# Altium PCB host_board.PcbDoc (part 1 of 8) (continued)
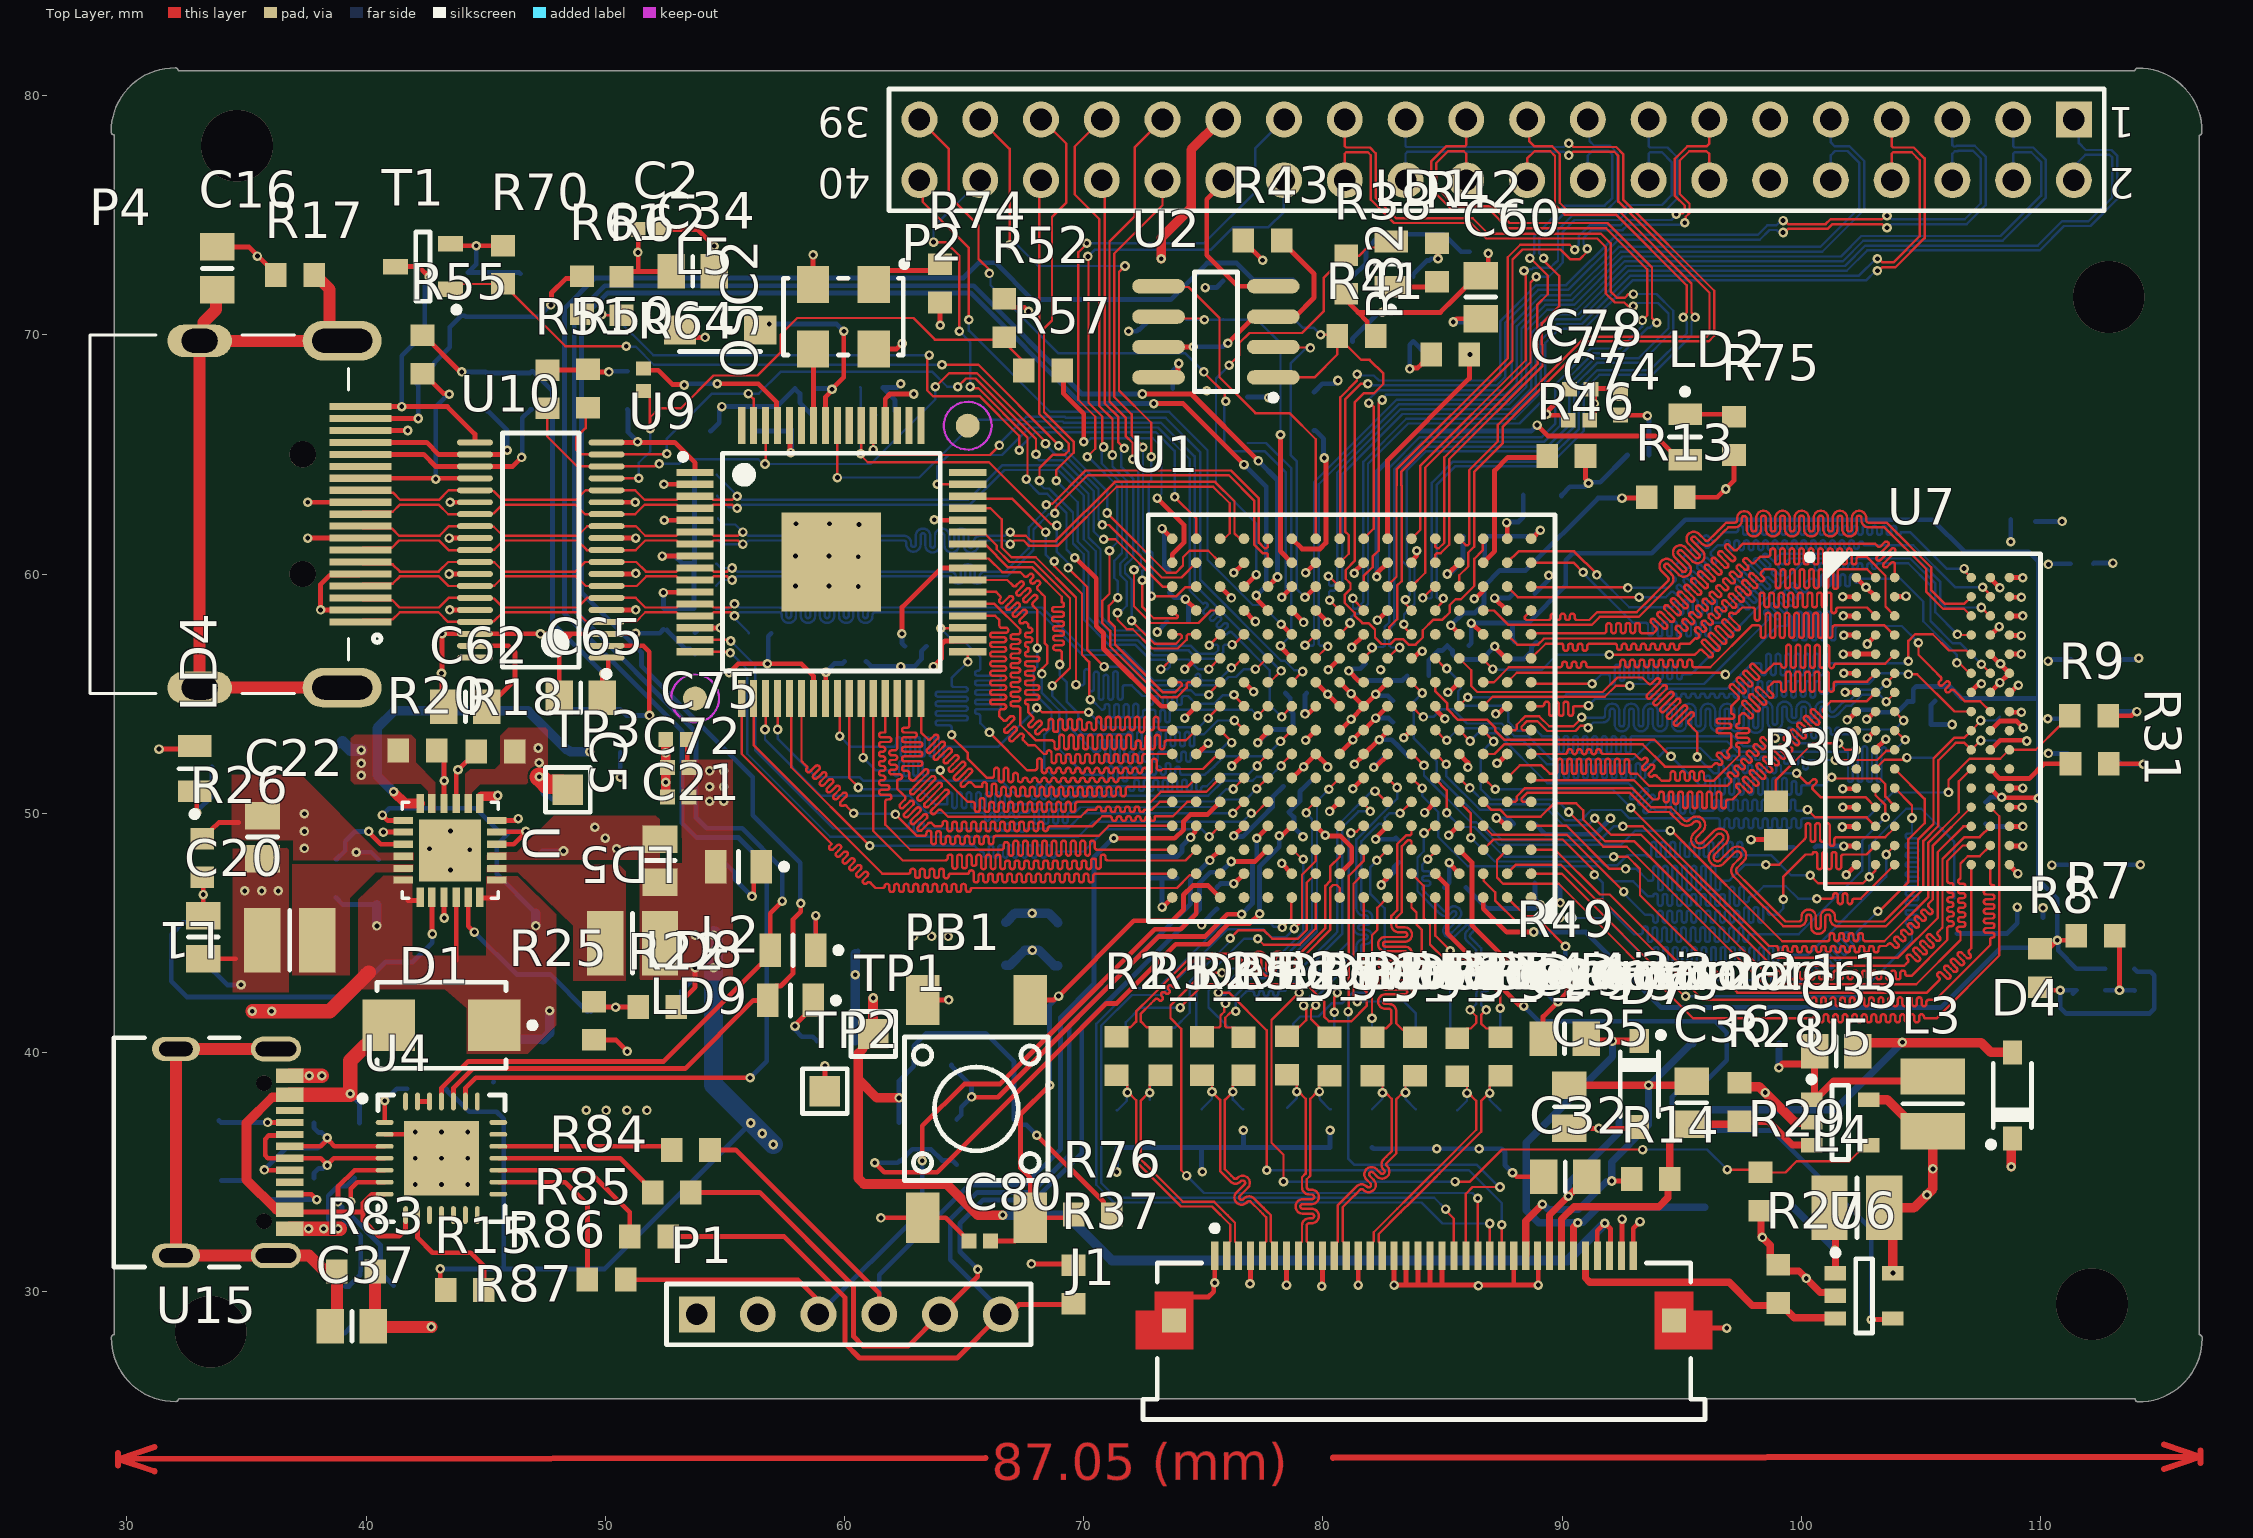
[diagram p0: Top Layer view]
## Design rules (kind name [scope] priority, off if disabled: settings) (continued)
PolygonConnect PolygonConnect_2 [InNet('1V2')] p7: thpad.connectstyle=Relief thpad.reliefconductorwidth=0.254 thpad.reliefentries=4 thpad.polygonreliefangle="90 Angle" thpad.airgapwidth=0.254 smdpad.connectstyle=Direct smdpad.reliefconductorwidth=0.254 smdpad.reliefentries=4 smdpad.polygonreliefangle="90 Angle" smdpad.airgapwidth=0.254 via.connectstyle=Direct via.reliefconductorwidth=0.254 via.reliefentries=4 via.polygonreliefangle="90 Angle" via.airgapwidth=0.254
PolygonConnect PolygonConnect_1 [InNet('5V_IN')] p8: connectstyle=Direct reliefconductorwidth=0.254 reliefentries=4 polygonreliefangle="90 Angle" airgapwidth=0.254
PolygonConnect [All] p9: thpad.connectstyle=Relief thpad.reliefconductorwidth=0.15 thpad.reliefentries=4 thpad.polygonreliefangle="45 Angle" thpad.airgapwidth=0.1 smdpad.connectstyle=Relief smdpad.reliefconductorwidth=0.15 smdpad.reliefentries=4 smdpad.polygonreliefangle="45 Angle" smdpad.airgapwidth=0.1 via.connectstyle=Direct via.reliefconductorwidth=0.15 via.reliefentries=4 via.polygonreliefangle="45 Angle" via.airgapwidth=0.1
RoutingVias [All] p1: holewidth=0.2 width=0.4 viastyle="Through Hole" minholewidth=0.1 minwidth=0.2 maxholewidth=0.3 maxwidth=0.4
SolderMaskExpansion [All] p1: expansion=0.102 istentingtop=FALSE
Width "Schematic Width Constraint_14" [InNetClass('DDR_IO')] p1: maxlimit=0.2 minlimit=0.1 preferedwidth=0.1
Width "Schematic Width Constraint_13" [InNetClass('DDR_IO')] p2: maxlimit=0.2 minlimit=0.1 preferedwidth=0.1
Width "Schematic Width Constraint_12" [InNetClass('DDR_IO')] p3: maxlimit=0.2 minlimit=0.1 preferedwidth=0.1
Width "Schematic Width Constraint_3" [InNetClass('DDR_IO')] p4: maxlimit=0.2 minlimit=0.1 preferedwidth=0.1
Width "Schematic Width Constraint_2" [InNet('DDR_RESETN')] p5: maxlimit=0.3 minlimit=0.1 preferedwidth=0.1
Width "Schematic Width Constraint_11" [InNet('GPIO_31')] p6: maxlimit=0.2 minlimit=0.1 preferedwidth=0.1
Width "Schematic Width Constraint_10" [InNet('GPIO_32')] p7: maxlimit=0.2 minlimit=0.1 preferedwidth=0.1
Width "Schematic Width Constraint_9" [InNet('GPIO_33')] p8: maxlimit=0.2 minlimit=0.1 preferedwidth=0.1
Width "Schematic Width Constraint_4" [InNet('GPIO_34')] p9: maxlimit=0.2 minlimit=0.1 preferedwidth=0.1
Width "Schematic Width Constraint" [InNetClass('PROG')] p10: maxlimit=0.2 minlimit=0.1 preferedwidth=0.1
Width "Schematic Width Constraint_1" [InNetClass('HDMI_HS_LINES')] p11: maxlimit=0.2 minlimit=0.1 preferedwidth=0.1
Width "Schematic Width Constraint_8" [InNetClass('ADV_IO')] p12: maxlimit=0.2 minlimit=0.1 preferedwidth=0.1
Width "Schematic Width Constraint_6" [InNetClass('DPHY_LINES')] p13: maxlimit=0.2 minlimit=0.1 preferedwidth=0.1
Width "Schematic Width Constraint_5" [InNetClass('HDMI_LINES')] p14: maxlimit=0.2 minlimit=0.1 preferedwidth=0.1
Width [All] p15: maxlimit=0.8 minlimit=0.1 preferedwidth=0.2
29 further rules are at their usual default settings.

## Classes and differential pairs
net class TMDS3: TMDS_CLK_N TMDS_CLK_P
net class TMDS2: TMDS2_N TMDS2_P
net class TMDS1: TMDS1_N TMDS1_P
net class TMDS0: TMDS0_N TMDS0_P
net class DPHY_LANE_HS_4: DPHY_HS_CLK_N DPHY_HS_CLK_P
net class DPHY_LANE_HS_3: DPHY_HS3_N DPHY_HS3_P
net class DPHY_LANE_HS_2: DPHY_HS2_N DPHY_HS2_P
net class DPHY_LANE_HS_1: DPHY_HS1_N DPHY_HS1_P
net class DPHY_LANE_HS_0: DPHY_HS0_N DPHY_HS0_P
net class DPHY_OUT: DPHY_0_N DPHY_0_P DPHY_1_N DPHY_1_P DPHY_2_N DPHY_2_P DPHY_3_N DPHY_3_P DPHY_4_N DPHY_4_P
net class DPHY_4: DPHY_4_N DPHY_4_P
net class DPHY_3: DPHY_3_N DPHY_3_P
net class DPHY_2: DPHY_2_N DPHY_2_P
net class DPHY_1: DPHY_1_N DPHY_1_P
net class DPHY_0: DPHY_0_N DPHY_0_P
differential pair class DDR_lvds: DDR_CLK DDR_LDQS DDR_UDQS
component class Designator1: R1_Designator1 R2_Designator1 R3_Designator1 R4_Designator1 R5_Designator1 R6_Designator1
net class PROG: CFG_CCLK CFG_CS CFG_DONE CFG_MISO CFG_MOSI
net class USB_LINES: USB_N USB_P
net class GPIO_DIFFPAIR: GPIO0_N GPIO0_P GPIO1_N GPIO1_P GPIO2_N GPIO2_P GPIO3_N GPIO3_P GPIO4_N GPIO4_P GPIO5_N GPIO5_P GPIO6_N GPIO6_P GPIO7_N GPIO7_P GPIO8_N GPIO8_P GPIO9_N GPIO9_P GPIO10_N GPIO10_P GPIO11_N GPIO11_P
net class HDMI_LINES: HDMI_CEC_LV HDMI_SCL_LV HDMI_SDA_LV HDP_EN HPD_NOTIF
net class DPHY_LINES: DPHY_LP_CLK_N DPHY_LP_CLK_P DPHY_LP_N0 DPHY_LP_N1 DPHY_LP_N2 DPHY_LP_N3 DPHY_LP_P0 DPHY_LP_P1 DPHY_LP_P2 DPHY_LP_P3 DSI_GPIO0 DSI_GPIO1 DSI_GPIO2 DSI_GPIO3 DSI_RESET_N LCD_PWREN
net class DPHY_LANE_HS: DPHY_HS0_N DPHY_HS0_P DPHY_HS1_N DPHY_HS1_P DPHY_HS2_N DPHY_HS2_P DPHY_HS3_N DPHY_HS3_P DPHY_HS_CLK_N DPHY_HS_CLK_P
net class ADV_IO: HDMI_CFG_SCL HDMI_CFG_SDA HDMI_D0 HDMI_D1 HDMI_D2 HDMI_D3 HDMI_D4 HDMI_D5 HDMI_D6 HDMI_D7 HDMI_D8 HDMI_D9 HDMI_D10 HDMI_D11 HDMI_D12 HDMI_D13 HDMI_D14 HDMI_D15 HDMI_D16 HDMI_D17 HDMI_D18 HDMI_D19 HDMI_D20 HDMI_D21 HDMI_D22 HDMI_D23 HDMI_DE HDMI_HS HDMI_LCC HDMI_RST_N HDMI_VS
net class HDMI_HS_LINES: TMDS0_N TMDS0_P TMDS1_N TMDS1_P TMDS2_N TMDS2_P TMDS_CLK_N TMDS_CLK_P
net class DDR_IO: DDR_A0 DDR_A1 DDR_A2 DDR_A3 DDR_A4 DDR_A5 DDR_A6 DDR_A7 DDR_A8 DDR_A9 DDR_A10 DDR_A11 DDR_A12 DDR_A13 DDR_A14 DDR_BA0 DDR_BA1 DDR_BA2 DDR_CAS DDR_CKE DDR_CLK_N DDR_CLK_P DDR_D0 DDR_D1 DDR_D2 DDR_D3 DDR_D4 DDR_D5 DDR_D6 DDR_D7 DDR_D8 DDR_D9 DDR_D10 DDR_D11 DDR_D12 DDR_D13 DDR_D14 DDR_D15 DDR_DM0 DDR_DM1 DDR_LDQS_N DDR_LDQS_P DDR_ODT DDR_RAS DDR_UDQS_N DDR_UDQS_P DDR_WE
channel class d-phy_block: Designator2 Designator3 Designator4 Designator5 Designator6
net class HDMI_D[0..23]: HDMI_D0 HDMI_D1 HDMI_D2 HDMI_D3 HDMI_D4 HDMI_D5 HDMI_D6 HDMI_D7 HDMI_D8 HDMI_D9 HDMI_D10 HDMI_D11 HDMI_D12 HDMI_D13 HDMI_D14 HDMI_D15 HDMI_D16 HDMI_D17 HDMI_D18 HDMI_D19 HDMI_D20 HDMI_D21 HDMI_D22 HDMI_D23
net class DDR_DM[0..1]: DDR_DM0 DDR_DM1
net class DDR_D[0..15]: DDR_D0 DDR_D1 DDR_D2 DDR_D3 DDR_D4 DDR_D5 DDR_D6 DDR_D7 DDR_D8 DDR_D9 DDR_D10 DDR_D11 DDR_D12 DDR_D13 DDR_D14 DDR_D15
net class DDR_BA[0..2]: DDR_BA0 DDR_BA1 DDR_BA2
net class DDR_A[0..14]: DDR_A0 DDR_A1 DDR_A2 DDR_A3 DDR_A4 DDR_A5 DDR_A6 DDR_A7 DDR_A8 DDR_A9 DDR_A10 DDR_A11 DDR_A12 DDR_A13 DDR_A14
component class "SDRAM DDR3": C6 C7 C10 C11 C31 C39 C40 C43 C47 C50 C54 C57 C59 R7 R8 R9 R10 R11 R12 R30 R31 U7
component class host_board: J1
component class Designator: C1 C2 C3 C5 C8 C9 C12 C13 C30 C38 C41 C42 C44 C45 C46 C48 C49 C51 C52 C53 C55 C56 C58 C60 C80 LD1 LD2 OSC1 P1 P2 PB1 R13 R32 R33 R34 R35 R36 R37 R38 R39 R40 R41 R42 R43 R44 R45 R46 R47 R48 R49 R57 R66 R67 R68 R69 R71 R72 R73 R75 R76 R88 R89 U1 U2 U8
component class Designator5: R1_Designator5 R2_Designator5 R3_Designator5 R4_Designator5 R5_Designator5 R6_Designator5
component class Designator4: R1_Designator4 R2_Designator4 R3_Designator4 R4_Designator4 R5_Designator4 R6_Designator4
component class Designator3: R1_Designator3 R2_Designator3 R3_Designator3 R4_Designator3 R5_Designator3 R6_Designator3
component class Designator2: R1_Designator2 R2_Designator2 R3_Designator2 R4_Designator2 R5_Designator2 R6_Designator2
differential pair DPHY_4: +DPHY_4_P -DPHY_4_N
differential pair DPHY_3: +DPHY_3_P -DPHY_3_N
differential pair DPHY_2: +DPHY_2_P -DPHY_2_N
differential pair DPHY_1: +DPHY_1_P -DPHY_1_N
differential pair DPHY_0: +DPHY_0_P -DPHY_0_N
differential pair DDR_UDQS: +DDR_UDQS_P -DDR_UDQS_N
differential pair DDR_LDQS: +DDR_LDQS_P -DDR_LDQS_N
differential pair USB: +USB_P -USB_N
differential pair TMDS_CLK: +TMDS_CLK_P -TMDS_CLK_N
differential pair TMDS2: +TMDS2_P -TMDS2_N
differential pair TMDS1: +TMDS1_P -TMDS1_N
differential pair TMDS0: +TMDS0_P -TMDS0_N
differential pair GPIO15: +GPIO15_P -GPIO15_N
differential pair GPIO14: +GPIO14_P -GPIO14_N
differential pair GPIO13: +GPIO13_P -GPIO13_N
differential pair GPIO12: +GPIO12_P -GPIO12_N
differential pair GPIO11: +GPIO11_P -GPIO11_N
differential pair GPIO10: +GPIO10_P -GPIO10_N
differential pair GPIO9: +GPIO9_P -GPIO9_N
differential pair GPIO8: +GPIO8_P -GPIO8_N
differential pair GPIO7: +GPIO7_P -GPIO7_N
differential pair GPIO6: +GPIO6_P -GPIO6_N
differential pair GPIO5: +GPIO5_P -GPIO5_N
differential pair GPIO4: +GPIO4_P -GPIO4_N
differential pair GPIO3: +GPIO3_P -GPIO3_N
differential pair GPIO2: +GPIO2_P -GPIO2_N
differential pair GPIO1: +GPIO1_P -GPIO1_N
differential pair GPIO0: +GPIO0_P -GPIO0_N
differential pair DPHY_HS_CLK: +DPHY_HS_CLK_P -DPHY_HS_CLK_N
differential pair DPHY_HS3: +DPHY_HS3_P -DPHY_HS3_N
differential pair DPHY_HS2: +DPHY_HS2_P -DPHY_HS2_N
differential pair DPHY_HS1: +DPHY_HS1_P -DPHY_HS1_N
differential pair DPHY_HS0: +DPHY_HS0_P -DPHY_HS0_N
differential pair DDR_CLK: +DDR_CLK_P -DDR_CLK_N

## Components (designator, comment, footprint, x,y, rotation, side; value= is the part's Value field where it differs from the comment)
C1 "100nF" CAPC1005X55N 88.475,57.15 r180 bottom
C2 "100nF" CAPC1005X55N 51.822,74.4 r0 top
C3 "1uF" CAPC1005X55N 62.975,56.979 r180 bottom value=100nF
C4 "1uF" CAPC2013X100N 48.67,50.59 r180 bottom value=1.5nF
C5 "1uF" CAPC1005X55N 53.05,51.911 r0 top value=100nF
C6 "4.7uF 10V" CAPC2013X100N 112.325,47.85 r180 bottom value=1.5nF
C7 "4.7uF 10V" CAPC2013X100N 112.05,54.263 r180 bottom value=1.5nF
C8 "1uF" CAPC1005X55N 93.181,64.975 r180 bottom value=100nF
C9 "1uF" CAPC1005X55N 83.125,52.375 r180 bottom value=100nF
C10 "4.7uF 10V" CAPC2013X100N 112.175,56.425 r180 bottom value=1.5nF
C11 "4.7uF 10V" CAPC2013X100N 112.075,52.45 r180 bottom value=1.5nF
C12 "1uF" CAPC1005X55N 86.325,61.575 r180 bottom value=100nF
C13 "1uF" CAPC1005X55N 109.275,62.175 r180 bottom value=100nF
C14 "100nF" CAPC2013X100N 39.13,29.32 r90 bottom value=1.5nF
C15 "1uF" CAPC2013X100N 41.225,29.425 r90 bottom value=1.5nF
C16 "100nF" CAPC2013X100N 33.775,72.775 r90 top value=1.5nF
C17 "4.7uF" CAPC2013X100N 47.1,47.26 r270 bottom value=1.5nF
C18 "4.7uF" CAPC2013X100N 40.53,47.16 r270 bottom value=1.5nF
C19 "1uF" CAPC2013X100N 52.232,41.668 r0 bottom value=1.5nF
C20 "1uF" CAPC2013X100N 33.19,44.82 r270 top value=1.5nF
C21 "10uF" CAPC2013X100N 52.285,48.018 r270 top value=1.5nF
C22 "10uF" CAPC2013X100N 35.665,49 r270 top value=1.5nF
C23 "1uF" CAPC2013X100N 49.4,40.8 r90 bottom value=1.5nF
C24 "1uF" CAPC2013X100N 47.39,39.63 r90 bottom value=1.5nF
C25 "1uF" CAPC2013X100N 45.31,39.65 r90 bottom value=1.5nF
C26 "1uF" CAPC2013X100N 68.922,44.523 r90 bottom value=1.5nF
C27 "1uF" CAPC2013X100N 55.3,65.975 r0 bottom value=1.5nF
C28 "4.7uF" CAPC2013X100N 66.747,44.535 r90 bottom value=1.5nF
C29 "1uF" CAPC2013X100N 90.1,40.575 r0 top value=1.5nF
C30 "100nF" CAPC1005X55N 85.65,57.009 r180 bottom
C31 "100nF" CAPC1005X55N 113.925,43.04 r270 bottom
C32 "4.7uF" CAPC2013X100N 90.125,34.8 r0 top value=1.5nF
C33 "1uF" CAPC2013X100N 101.455,40.05 r0 top value=1.5nF
C34 "4.7uF" CAPC2013X100N 53.65,72.65 r0 top value=1.5nF
C35 "1uF" CAPC2013X100N 90.3,37.725 r90 top value=1.5nF
C36 "22pF" CAPC2013X100N 95.419,37.9 r90 top value=1.5nF
C37 "100nF" CAPC2013X100N 39.405,28.551 r0 top value=1.5nF
C38 "100nF" CAPC1005X55N 78.8,51.125 r0 bottom
C39 "100nF" CAPC1005X55N 112.7,43.052 r270 bottom
C40 "100nF" CAPC1005X55N 111.5,43.052 r90 bottom
C41 "100nF" CAPC1005X55N 78.125,50.05 r0 bottom
C42 "100nF" CAPC1005X55N 86.31,60.551 r180 bottom
C43 "100nF" CAPC1005X55N 105.132,54.69 r180 bottom
C44 "100nF" CAPC1005X55N 72.675,47.74 r90 bottom
C45 "100nF" CAPC1005X55N 73.925,58 r0 bottom
C46 "100nF" CAPC1005X55N 74.175,67.75 r180 bottom
C47 "100nF" CAPC1005X55N 107.7,50.011 r90 bottom
C48 "100nF" CAPC1005X55N 73.909,47.74 r90 bottom
C49 "100nF" CAPC1005X55N 83.975,55.75 r180 bottom
C50 "100nF" CAPC1005X55N 89.3,47.08 r0 bottom
C51 "100nF" CAPC1005X55N 82.225,56.25 r180 bottom
C52 "100nF" CAPC1005X55N 82.925,54.25 r270 bottom
C53 "100nF" CAPC1005X55N 73.575,59.675 r270 bottom
C54 "100nF" CAPC1005X55N 100.125,48.575 r0 bottom
C55 "100nF" CAPC1005X55N 78.875,55.025 r0 bottom
C56 "100nF" CAPC1005X55N 88.4,59.175 r180 bottom
C57 "100nF" CAPC1005X55N 111.725,60.425 r180 bottom
C58 "100nF" CAPC1005X55N 88.425,49.55 r180 bottom
C59 "100nF" CAPC1005X55N 109.625,45.418 r0 bottom
C60 "100nF" CAPC2013X100N 86.6,71.575 r90 top value=1.5nF
C61 "100nF" CAPC1005X55N 58.375,67.75 r0 bottom
C62 "100nF" CAPC2013X100N 44.15,54.45 r0 top value=1.5nF
C63 "100nF" CAPC2013X100N 46.45,71.65 r270 bottom value=1.5nF
C64 "100nF" CAPC2013X100N 50.625,53.45 r90 bottom value=1.5nF
C65 "100nF" CAPC2013X100N 48.975,54.825 r0 top value=1.5nF
C66 "1uF" CAPC1005X55N 85.525,46.9 r180 bottom value=100nF
C67 "100nF" CAPC1005X55N 58.229,66.05 r180 bottom
C68 "100nF" CAPC1005X55N 60.45,56.345 r180 bottom
C69 "100nF" CAPC1005X55N 53.75,57.1 r90 bottom
C70 "100nF" CAPC1005X55N 75.566,46.45 r90 bottom
C71 "100nF" CAPC1005X55N 83.175,48.4 r90 bottom
C72 "1uF" CAPC1005X55N 53.05,50.683 r0 top value=100nF
C73 "100nF" CAPC2013X100N 44.125,71.7 r270 bottom value=1.5nF
C74 "100nF" CAPC1005X55N 90.703,66.425 r0 top
C75 "100nF" CAPC1005X55N 52.975,53.084 r0 top
C76 "100nF" CAPC1005X55N 52.43,58.13 r90 bottom
C77 "100nF" CAPC1005X55N 92.433,67.1 r90 top
C78 "100nF" CAPC1005X55N 90.753,67.725 r0 top
C79 "jrtq?" CAPC2013X100N 37.92,52.775 r0 bottom value=1.5nF
C80 "1uF" CAPC1005X55N 65.65,32.12 r180 top value=100nF
D1 "1SMB5917BT3G" DIOM5436X244N 43.15,41.135 r180 top
D2 "PRTR5V0U2X" SOT190P230X110-4N 38.77,35.9 r90 bottom
D3 "BZT52C5V6" SOD3715X145N 94.175,37.6 r180 bottom
D4 "BZT52C5V6" SOD3715X145N 108.825,38.2 r90 top
D5 "BZT52C5V6" SOD3715X145N 97.275,40.35 r0 bottom
D6 "BZT52C5V6" SOD3715X145N 97.758,33.525 r0 bottom
D7 "BZT52C2V7" SOD3715X145N 93.225,38.675 r270 top
J1 "54104-3633" MOLX-54104-3633 84.225,30.15 r0 top
L1 "2.2uH" IND_MURATA-PS_8200 36.81,44.69 r180 top value=22uH
L2 "2.2uH" IND_MURATA-PS_8200 51.14,44.57 r0 top value=22uH
L3 "4.7uH" IND_MURATA-PS_8200 105.5,37.85 r90 top value=22uH
L4 "4.7uH" IND_MURATA-PS_8200 102.321,33.5 r180 top value=22uH
L5 "4.7uH" IND_MURATA_BLM31PG 54.8,70.2 r180 top value=50R@100MHz
LD1 "Super Red" LED_OSRAM_LSR976 82.85,72.95 r90 top
LD2 "Super Red" LED_OSRAM_LSR976 95.136,65.725 r270 top
LD4 "Super Red" LED_OSRAM_LSR976 32.83,51.86 r90 top
LD5 "Super Red" LED_OSRAM_LSR976 55.57,47.763 r180 top
LD8 "Super Red" LED_OSRAM_LSR976 57.84,44.273 r180 top
LD9 "Super Red" LED_OSRAM_LSR976 57.74,42.173 r180 top
OSC1 "50MHz" OSC_IQD_CFPS-69 82.5,71.075 r270 bottom
OSC2 "25MHz" OSC_IQD_CFPS-69 59.95,70.76 r270 top value=50MHz
P1 "Header 6" HDR1X6 53.83,29.05 r0 top
P2 "3V3 GPIO" HDR2X20 111.393,79 r180 top
P4 "1827059-3" TE_1827059-3 34.76,62.5 r270 top
PB1 "Push Button" PB_TYCO_FSM6JSMA 65.51,37.642 r180 top
R1_Designator1 "22R" RESC1608X55N 85.615,39.8 r90 bottom value=100k (schematic designator R1)
R1_Designator2 "22R" RESC1608X55N 82.05,39.825 r90 bottom value=100k (schematic designator R1)
R1_Designator3 "22R" RESC1608X55N 78.5,39.875 r90 bottom value=100k (schematic designator R1)
R1_Designator4 "22R" RESC1608X55N 74.925,39.85 r90 bottom value=100k (schematic designator R1)
R1_Designator5 "22R" RESC1608X55N 71.4,39.825 r90 bottom value=100k (schematic designator R1)
R2_Designator1 "160R" RESC1608X55N 85.615,39.8 r270 top value=100k (schematic designator R2)
R2_Designator2 "160R" RESC1608X55N 82.075,39.825 r270 top value=100k (schematic designator R2)
R2_Designator3 "160R" RESC1608X55N 78.5,39.875 r270 top value=100k (schematic designator R2)
R2_Designator4 "160R" RESC1608X55N 74.95,39.85 r270 top value=100k (schematic designator R2)
R2_Designator5 "160R" RESC1608X55N 71.375,39.85 r270 top value=100k (schematic designator R2)
R3_Designator1 "51R" RESC1608X55N 85.615,36.775 r90 bottom value=100k (schematic designator R3)
R3_Designator2 "51R" RESC1608X55N 82.05,36.825 r90 bottom value=100k (schematic designator R3)
R3_Designator3 "51R" RESC1608X55N 78.495,36.875 r90 bottom value=100k (schematic designator R3)
R3_Designator4 "51R" RESC1608X55N 74.925,36.825 r90 bottom value=100k (schematic designator R3)
R3_Designator5 "51R" RESC1608X55N 71.375,36.775 r90 bottom value=100k (schematic designator R3)
R4_Designator1 "51R" RESC1608X55N 87.415,36.775 r270 bottom value=100k (schematic designator R4)
R4_Designator2 "51R" RESC1608X55N 83.875,36.825 r270 bottom value=100k (schematic designator R4)
R4_Designator3 "51R" RESC1608X55N 80.3,36.825 r270 bottom value=100k (schematic designator R4)
R4_Designator4 "51R" RESC1608X55N 76.675,36.825 r270 bottom value=100k (schematic designator R4)
R4_Designator5 "51R" RESC1608X55N 73.2,36.775 r270 bottom value=100k (schematic designator R4)
R5_Designator1 "160R" RESC1608X55N 87.415,39.825 r270 top value=100k (schematic designator R5)
R5_Designator2 "160R" RESC1608X55N 83.85,39.825 r270 top value=100k (schematic designator R5)
R5_Designator3 "160R" RESC1608X55N 80.275,39.825 r270 top value=100k (schematic designator R5)
R5_Designator4 "160R" RESC1608X55N 76.675,39.84 r270 top value=100k (schematic designator R5)
R5_Designator5 "160R" RESC1608X55N 73.2,39.85 r270 top value=100k (schematic designator R5)
R6_Designator1 "22R" RESC1608X55N 87.415,39.825 r270 bottom value=100k (schematic designator R6)
R6_Designator2 "22R" RESC1608X55N 83.875,39.825 r270 bottom value=100k (schematic designator R6)
R6_Designator3 "22R" RESC1608X55N 80.3,39.85 r270 bottom value=100k (schematic designator R6)
R6_Designator4 "22R" RESC1608X55N 76.7,39.875 r270 bottom value=100k (schematic designator R6)
R6_Designator5 "22R" RESC1608X55N 73.209,39.823 r270 bottom value=100k (schematic designator R6)
R7 "1K" RESC1608X55N 112.3,44.877 r0 top value=100k
R8 "1K" RESC1608X55N 109.975,43.527 r90 top value=100k
R9 "4.7K" RESC1608X55N 112.025,54.075 r180 top value=100k
R10 "100" RESC1608X55N 105.37,52.73 r270 bottom value=100k
R11 "4.7K" RESC1608X55N 106.45,45.769 r90 bottom value=100k
R12 "100" RESC1005X40N 108.3,53.575 r90 bottom
R13 "100" RESC1608X55N 94.33,63.209 r0 top value=100k
R14 "100k" RESC1608X55N 93.7,34.7 r180 top
R15 "4.7K" RESC1608X55N 44.125,30.075 r0 top value=100k
R16 "3.3K" RESC1608X55N 42.56,38.47 r0 bottom value=100k
R17 "1M" RESC1608X55N 37.025,72.5 r180 top value=100k
R18 "280k" RESC1608X55N 45.41,52.575 r180 top value=100k
R19 "200k" RESC1608X55N 45.415,52.631 r0 bottom value=100k
R20 "100" RESC1608X55N 42.15,52.615 r0 top value=100k
R21 "100" RESC1608X55N 42.29,52.75 r180 bottom value=100k
R22 "200k" RESC1608X55N 52.171,41.9 r0 top value=100k
R23 "200k" RESC1608X55N 33.18,44.63 r270 bottom value=100k
R24 "100" RESC1608X55N 38.73,47.29 r270 bottom value=100k
R25 "200k" RESC1608X55N 49.52,41.32 r90 top value=100k
R26 "200k" RESC1608X55N 33.15,48.125 r270 top value=100k
R27 "100" RESC1608X55N 99.033,30.325 r270 top value=100k
R28 "100k" RESC1608X55N 97.414,37.925 r270 top
R29 "100k" RESC1608X55N 98.284,34.182 r90 top
R30 "4.7K" RESC1608X55N 98.933,49.696 r90 top value=100k
R31 "240R" RESC1608X55N 112.05,52.068 r180 top value=100k
R32 "4.7k" RESC1608X55N 85.325,69.175 r180 top value=100k
R33 "4.7k" RESC1608X55N 86.375,70.075 r270 bottom value=100k
R34 "3.3k" RESC1608X55N 89.175,63.25 r180 bottom value=100k
R35 "4.7k" RESC1608X55N 86.76,73.625 r0 bottom value=100k
R36 "3.3k" RESC1608X55N 76.85,66.6 r270 bottom value=100k
R37 "3.3k" RESC1608X55N 69.575,30.3 r90 top value=100k
R38 "1k" RESC1608X55N 80.975,72.525 r270 top value=100k
R39 "3.3k" RESC1608X55N 78.75,71.5 r90 bottom value=100k
R40 "3.3k" RESC1608X55N 75.825,71.45 r90 bottom value=100k
R41 "3.3k" RESC1608X55N 81.4,69.95 r0 top value=100k
R42 "1k" RESC1608X55N 84.759,73.025 r270 top value=100k
R43 "3.3k" RESC1608X55N 77.475,73.95 r180 top value=100k
R44 "3.3k" RESC1608X55N 73.49,70.625 r0 bottom value=100k
R45 "4.7k" RESC1608X55N 79.625,66.8 r90 bottom value=100k
R46 "4.7k" RESC1608X55N 90.175,64.925 r0 top value=100k
R47 "4.7k" RESC1608X55N 62.29,36.26 r90 bottom value=100k
R48 "4.7k" RESC1608X55N 63.675,39.475 r180 bottom value=100k
R49 "4.7k" RESC1608X55N 89.355,43.272 r0 top value=100k
R50 "47k" RESC1608X55N 49.275,67.75 r90 top value=100k
R51 "47k" RESC1608X55N 47.575,67.725 r90 top value=100k
R52 "47k" RESC1608X55N 66.675,70.7 r90 top value=100k
R53 "100" RESC1608X55N 50.925,67.675 r90 bottom value=100k
R54 "47k" RESC1608X55N 46.925,67.675 r90 bottom value=100k
R55 "27k" RESC1608X55N 42.35,69.175 r90 top value=100k
R56 "47k" RESC1608X55N 45.05,67.6 r90 bottom value=100k
R57 "0R" RESC1608X55N 68.291,68.515 r180 top value=100k
R58 "10k" RESC1608X55N 48.475,53.425 r270 bottom value=100k
R59 "1k" RESC1608X55N 42.45,69.225 r90 bottom value=100k
R60 "3.3k" RESC1005X40N 61.8,66.65 r0 bottom value=10k
R61 "4.7k" RESC1608X55N 49.025,71.65 r90 top value=100k
R62 "4.7k" RESC1608X55N 50.675,71.625 r270 top value=100k
R63 "3.3k" RESC1005X40N 61.125,67.8 r0 bottom value=10k
R64 "0R" RESC1005X40N 51.6,68.125 r270 top value=10k
R65 "5.1k" RESC1608X55N 33.85,37.95 r90 bottom value=100k
R66 "150 DNP" RESC1608X55N 89.333,43.349 r180 bottom value=100k
R67 "50" RESC1005X40N 54.174,60.432 r180 bottom value=51k
R68 "50" RESC1005X40N 54.16,59.5 r180 bottom value=51k
R69 "50" RESC1005X40N 54.24,62.33 r180 bottom value=51k
R70 "3.3k" RESC1608X55N 45.725,72.925 r270 top value=100k
R71 "50" RESC1005X40N 54.23,61.42 r180 bottom value=51k
R72 "50" RESC1005X40N 56.47,57.525 r180 bottom value=51k
R73 "50" RESC1005X40N 54.17,58.553 r0 bottom value=51k
R74 "4.7k" RESC1608X55N 63.99,72.15 r270 top value=100k
R75 "1k" RESC1608X55N 97.181,65.775 r90 top value=100k
R76 "4.7k" RESC1608X55N 70.375,33.23 r0 top value=100k
R77 "4.7K" RESC1608X55N 34.36,51.94 r180 bottom value=100k
R78 "4.7K" RESC1608X55N 54.38,47.93 r0 bottom value=100k
R81 "4.7K" RESC1608X55N 59.76,44.235 r180 bottom value=100k
R82 "4.7K" RESC1608X55N 59.65,40.48 r180 bottom value=100k
R83 "1M" RESC1608X55N 39.575,30.85 r0 top value=100k
R84 "0R" RESC1608X55N 53.575,35.925 r0 top value=100k
R85 "0R" RESC1608X55N 52.775,34.15 r0 top value=100k
R86 "0R" RESC1608X55N 51.825,32.3 r0 top value=100k
R87 "0R" RESC1608X55N 50.05,30.5 r0 top value=100k
R88 "50" RESC1005X40N 54.21,63.27 r0 bottom value=51k
R89 "50" RESC1005X40N 54.19,64.16 r0 bottom value=51k
R90 "5.1k" RESC1608X55N 33.95,33.85 r270 bottom value=100k
T1 "2N7002" SOT95P240X130-3N 42.375,72.85 r180 top
TP1 "Test Point" TPS127 61.2,40.77 r270 top
TP2 "Test Point" TPS127 59.18,38.38 r0 top
TP3 "Test Point" TPS127 48.43,50.975 r0 top
U "LM26480SQ-AA" QFN400X400X80-25N 43.51,48.45 r0 top
U1 "XC6SLX16-2FTG256C" FTG256 81.2,53.975 r180 top
U2 "M25P80-VMN6P" MICT-MN-8_N 75.525,70.125 r180 top
U4 "CP2103-GM" SLAB-QFN-28-3125x3125TP_A_L 43.15,35.575 r0 top
U5 "TPS61040DBVR" TI-DBV5_L 101.625,37.075 r0 top
U6 "TPS61040DBVR" TI-DBV5_L 102.625,29.825 r0 top
U7 "MT41J256M16HA-125" MICT-HA-96 105.5,53.85 r0 top
U8 "24AA02HT-I/OT" SOT-23-OT5_L 65.89,36.25 r0 bottom
U9 "ADV7611" QFP50P1200X1200X120-65N-S415 59.45,60.5 r0 top
U10 "TPD12S520DBTR" DBT38_L 47.3,61 r180 top
U15 "USB4105-GF-A" GCT_USB4105-GF-A 32.05,35.825 r270 top

## Footprints (in the part's own frame and the unit in brackets; to place one, negate y for a bottom-side part, rotate by r counter-clockwise, add the part's x,y. Pads: shape width x height; smd on the part's side, far side on the other; paste and mask are expansions set on the pad)
CAPC1005X55N [mm] "Chip Capacitor, Body 1.0x0.55mm, IPC Medium Density"
  rect 0.62x0.62 smd: 1(-0.45,0) 2(0.45,0)
  body extent -0.52,-0.27 0.53,0.28, height 0.55
CAPC2013X100N [mm] "Capacitor, Non-Polarized, Chip; 2.00mm L X 1.25mm W X 0.9mm H, IPC Medium Density"
  rect 1.15x1.45 smd: 1(-0.9,0) 2(0.9,0)
  silkscreen extent 0,-0.63 0,0.63, body extent -1.1,-0.72 1.1,0.73, height 1
DBT38_L [mm] "TSSOP, 38-Leads, Body 9.7x4.4mm, Pitch 0.5mm, IPC High Density"
  oval 1.5x0.25 smd: 1(-2.75,4.5) 2(-2.75,4) 3(-2.75,3.5) 4(-2.75,3) 5(-2.75,2.5) 6(-2.75,2) 7(-2.75,1.5) 8(-2.75,1) 9(-2.75,0.5) 10(-2.75,0) 11(-2.75,-0.5) 12(-2.75,-1) 13(-2.75,-1.5) 14(-2.75,-2) 15(-2.75,-2.5) 16(-2.75,-3) 17(-2.75,-3.5) 18(-2.75,-4) 19(-2.75,-4.5) 20(2.75,-4.5) 21(2.75,-4) 22(2.75,-3.5) 23(2.75,-3) 24(2.75,-2.5) 25(2.75,-2) 26(2.75,-1.5) 27(2.75,-1) 28(2.75,-0.5) 29(2.75,0) 30(2.75,0.5) 31(2.75,1) 32(2.75,1.5) 33(2.75,2) 34(2.75,2.5) 35(2.75,3) 36(2.75,3.5) 37(2.75,4) 38(2.75,4.5)
  silkscreen extent -2.88,-4.9 1.6,5.3, body extent -2.25,-4.9 2.25,4.9, height 1.2
DIOM5436X244N [mm] "DO-214-AA/SMB Diode, Molded Body; 5.40mm L X 3.62mm W X 2.44mm H, IPC Medium Density"
  rect 2.2x2.15 smd: 1(-2.2,0) 2(2.2,0)
  silkscreen extent -3.93,-1.8 2.7,1.8, body extent -2.7,-1.95 2.7,1.95, height 2.44
FTG256 [mm] "BGA, 256-Leads, Body 17x17mm, Pitch 1mm"
  round 0.45 smd: A1(-7.5,7.5) A2(-6.5,7.5) A3(-5.5,7.5) A4(-4.5,7.5) A5(-3.5,7.5) A6(-2.5,7.5) A7(-1.5,7.5) A8(-0.5,7.5) A9(0.5,7.5) A10(1.5,7.5) A11(2.5,7.5) A12(3.5,7.5) A13(4.5,7.5) A14(5.5,7.5) A15(6.5,7.5) A16(7.5,7.5) B1(-7.5,6.5) B2(-6.5,6.5) B3(-5.5,6.5) B4(-4.5,6.5) B5(-3.5,6.5) B6(-2.5,6.5) B7(-1.5,6.5) B8(-0.5,6.5) B9(0.5,6.5) B10(1.5,6.5) B11(2.5,6.5) B12(3.5,6.5) B13(4.5,6.5) B14(5.5,6.5) B15(6.5,6.5) B16(7.5,6.5) C1(-7.5,5.5) C2(-6.5,5.5) C3(-5.5,5.5) C4(-4.5,5.5) C5(-3.5,5.5) C6(-2.5,5.5) C7(-1.5,5.5) C8(-0.5,5.5) C9(0.5,5.5) C10(1.5,5.5) C11(2.5,5.5) C12(3.5,5.5) C13(4.5,5.5) C14(5.5,5.5) C15(6.5,5.5) C16(7.5,5.5) D1(-7.5,4.5) D2(-6.5,4.5) D3(-5.5,4.5) D4(-4.5,4.5) D5(-3.5,4.5) D6(-2.5,4.5) D7(-1.5,4.5) D8(-0.5,4.5) D9(0.5,4.5) D10(1.5,4.5) D11(2.5,4.5) D12(3.5,4.5) D13(4.5,4.5) D14(5.5,4.5) D15(6.5,4.5) D16(7.5,4.5) E1(-7.5,3.5) E2(-6.5,3.5) E3(-5.5,3.5) E4(-4.5,3.5) E5(-3.5,3.5) E6(-2.5,3.5) E7(-1.5,3.5) E8(-0.5,3.5) E9(0.5,3.5) E10(1.5,3.5) E11(2.5,3.5) E12(3.5,3.5) E13(4.5,3.5) E14(5.5,3.5) E15(6.5,3.5) E16(7.5,3.5) F1(-7.5,2.5) F2(-6.5,2.5) F3(-5.5,2.5) F4(-4.5,2.5) F5(-3.5,2.5) F6(-2.5,2.5) F7(-1.5,2.5) F8(-0.5,2.5) F9(0.5,2.5) F10(1.5,2.5) F11(2.5,2.5) F12(3.5,2.5) F13(4.5,2.5) F14(5.5,2.5) F15(6.5,2.5) F16(7.5,2.5) G1(-7.5,1.5) G2(-6.5,1.5) G3(-5.5,1.5) G4(-4.5,1.5) G5(-3.5,1.5) G6(-2.5,1.5) G7(-1.5,1.5) G8(-0.5,1.5) G9(0.5,1.5) G10(1.5,1.5) G11(2.5,1.5) G12(3.5,1.5) G13(4.5,1.5) G14(5.5,1.5) G15(6.5,1.5) G16(7.5,1.5) H1(-7.5,0.5) H2(-6.5,0.5) H3(-5.5,0.5) H4(-4.5,0.5) H5(-3.5,0.5) H6(-2.5,0.5) H7(-1.5,0.5) H8(-0.5,0.5) H9(0.5,0.5) H10(1.5,0.5) H11(2.5,0.5) H12(3.5,0.5) H13(4.5,0.5) H14(5.5,0.5) H15(6.5,0.5) H16(7.5,0.5) J1(-7.5,-0.5) J2(-6.5,-0.5) J3(-5.5,-0.5) J4(-4.5,-0.5) J5(-3.5,-0.5) J6(-2.5,-0.5) J7(-1.5,-0.5) J8(-0.5,-0.5) J9(0.5,-0.5) J10(1.5,-0.5) J11(2.5,-0.5) J12(3.5,-0.5) J13(4.5,-0.5) J14(5.5,-0.5) J15(6.5,-0.5) J16(7.5,-0.5) K1(-7.5,-1.5) K2(-6.5,-1.5) K3(-5.5,-1.5) K4(-4.5,-1.5) K5(-3.5,-1.5) K6(-2.5,-1.5) K7(-1.5,-1.5) K8(-0.5,-1.5) K9(0.5,-1.5) K10(1.5,-1.5) K11(2.5,-1.5) K12(3.5,-1.5) K13(4.5,-1.5) K14(5.5,-1.5) K15(6.5,-1.5) K16(7.5,-1.5) L1(-7.5,-2.5) L2(-6.5,-2.5) L3(-5.5,-2.5) L4(-4.5,-2.5) L5(-3.5,-2.5) L6(-2.5,-2.5) L7(-1.5,-2.5) L8(-0.5,-2.5) L9(0.5,-2.5) L10(1.5,-2.5) L11(2.5,-2.5) L12(3.5,-2.5) L13(4.5,-2.5) L14(5.5,-2.5) L15(6.5,-2.5) L16(7.5,-2.5) M1(-7.5,-3.5) M2(-6.5,-3.5) M3(-5.5,-3.5) M4(-4.5,-3.5) M5(-3.5,-3.5) M6(-2.5,-3.5) M7(-1.5,-3.5) M8(-0.5,-3.5) M9(0.5,-3.5) M10(1.5,-3.5) M11(2.5,-3.5) M12(3.5,-3.5) M13(4.5,-3.5) M14(5.5,-3.5) M15(6.5,-3.5) M16(7.5,-3.5) N1(-7.5,-4.5) N2(-6.5,-4.5) N3(-5.5,-4.5) N4(-4.5,-4.5) N5(-3.5,-4.5) N6(-2.5,-4.5) N7(-1.5,-4.5) N8(-0.5,-4.5) N9(0.5,-4.5) N10(1.5,-4.5) N11(2.5,-4.5) N12(3.5,-4.5) N13(4.5,-4.5) N14(5.5,-4.5) N15(6.5,-4.5) N16(7.5,-4.5) P1(-7.5,-5.5) P2(-6.5,-5.5) P3(-5.5,-5.5) P4(-4.5,-5.5) P5(-3.5,-5.5) P6(-2.5,-5.5) P7(-1.5,-5.5) P8(-0.5,-5.5) P9(0.5,-5.5) P10(1.5,-5.5) P11(2.5,-5.5) P12(3.5,-5.5) P13(4.5,-5.5) P14(5.5,-5.5) P15(6.5,-5.5) P16(7.5,-5.5) R1(-7.5,-6.5) R2(-6.5,-6.5) R3(-5.5,-6.5) R4(-4.5,-6.5) R5(-3.5,-6.5) R6(-2.5,-6.5) R7(-1.5,-6.5) R8(-0.5,-6.5) R9(0.5,-6.5) R10(1.5,-6.5) R11(2.5,-6.5) R12(3.5,-6.5) R13(4.5,-6.5) R14(5.5,-6.5) R15(6.5,-6.5) R16(7.5,-6.5) T1(-7.5,-7.5) T2(-6.5,-7.5) T3(-5.5,-7.5) T4(-4.5,-7.5) T5(-3.5,-7.5) T6(-2.5,-7.5) T7(-1.5,-7.5) T8(-0.5,-7.5) T9(0.5,-7.5) T10(1.5,-7.5) T11(2.5,-7.5) T12(3.5,-7.5) T13(4.5,-7.5) T14(5.5,-7.5) T15(6.5,-7.5) T16(7.5,-7.5)
  silkscreen extent -9.28,-8.5 8.5,8.5, body extent -8.5,-8.5 8.5,8.5, height 1.55
GCT_USB4105-GF-A [mm]
  rect 0.6x1.15 smd: A1/B12(-3.2,4.755) A4/B9(-2.4,4.755) B1/A12(3.2,4.755) B4/A9(2.4,4.755)
  rect 0.3x1.15 smd: A5(-1.25,4.755) A6(-0.25,4.755) A7(0.25,4.755) A8(1.25,4.755) B5(1.75,4.755) B6(0.75,4.755) B7(-0.75,4.755) B8(-1.75,4.755)
  oval 1x2 hole 0.6 slot 1.4 at 90 deg: G1(-4.32,0) G2(4.32,0)
  oval 1.05x2.1 hole 0.6 slot 1.7 at 90 deg: G3(-4.32,4.18) G4(4.32,4.18)
  round 0.65 hole 0.65 unplated: ""(-2.89,3.68) ""(2.89,3.68)
  silkscreen extent -4.79,-2.6 4.79,2.65, body extent -7.24,-2.71 4.79,5, height 3.32
HDR1X6 [mm] "Connector; Header; 6 Position"
  rect 1.5x1.5 hole 0.9: 1(0,0)
  round 1.5 hole 0.9: 2(2.54,0) 3(5.08,0) 4(7.62,0) 5(10.16,0) 6(12.7,0)
  silkscreen extent -1.27,-1.27 13.97,1.27
HDR2X20 [mm] "Connector; Header; 20x2 Position"
  rect 1.5x1.5 hole 0.9: 1(0,0)
  round 1.5 hole 0.9: 2(0,2.54) 3(2.54,0) 4(2.54,2.54) 5(5.08,0) 6(5.08,2.54) 7(7.62,0) 8(7.62,2.54) 9(10.16,0) 10(10.16,2.54) 11(12.7,0) 12(12.7,2.54) 13(15.24,0) 14(15.24,2.54) 15(17.78,0) 16(17.78,2.54) 17(20.32,0) 18(20.32,2.54) 19(22.86,0) 20(22.86,2.54) 21(25.4,0) 22(25.4,2.54) 23(27.94,0) 24(27.94,2.54) 25(30.48,0) 26(30.48,2.54) 27(33.02,0) 28(33.02,2.54) 29(35.56,0) 30(35.56,2.54) 31(38.1,0) 32(38.1,2.54) 33(40.64,0) 34(40.64,2.54) 35(43.18,0) 36(43.18,2.54) 37(45.72,0) 38(45.72,2.54) 39(48.26,0) 40(48.26,2.54)
  silkscreen extent -1.27,-1.27 49.53,3.81
IND_MURATA-PS_8200 [mm] "Miniature Surface Mount Power Inductors, 3.2mm L X 2.5mm W X 2.3mm H, MURATA 8200 Series"
  rect 1.52x2.7 smd: 1(-1.145,0) 2(1.145,0)
  silkscreen extent 0,-1.25 0,1.25, body extent -1.6,-1.25 1.6,1.25, height 2.3
IND_MURATA_BLM31PG [mm] "Chip Ferrite Bead, 3.20mm L X 1.60mm W, BLM31PG Series"
  rect 1.35x1.2 smd: 1(-1.675,0) 2(1.675,0)
  silkscreen extent -1.7,-0.9 1.7,0.9, body extent -1.6,-0.8 1.6,0.8, height 1.3